# Altium PCB HIL_RIG_REV_1_2.PcbDoc (part 6 of 14)
Units mil, origin at the board's own origin, x right, y up, seen from the top; angles counter-clockwise.
Board outline 9845 x 7590 mil, 6 copper layers (Top Layer, Int1 (GND), Int2 (PWR), Int3 (Sign), Int4 (GND), Bottom Layer), stack 60.566 mil thick; 1465 components, 731 nets, 4058 pads, 3944 vias.
Unrouted connection lines stored in the file: 1754.
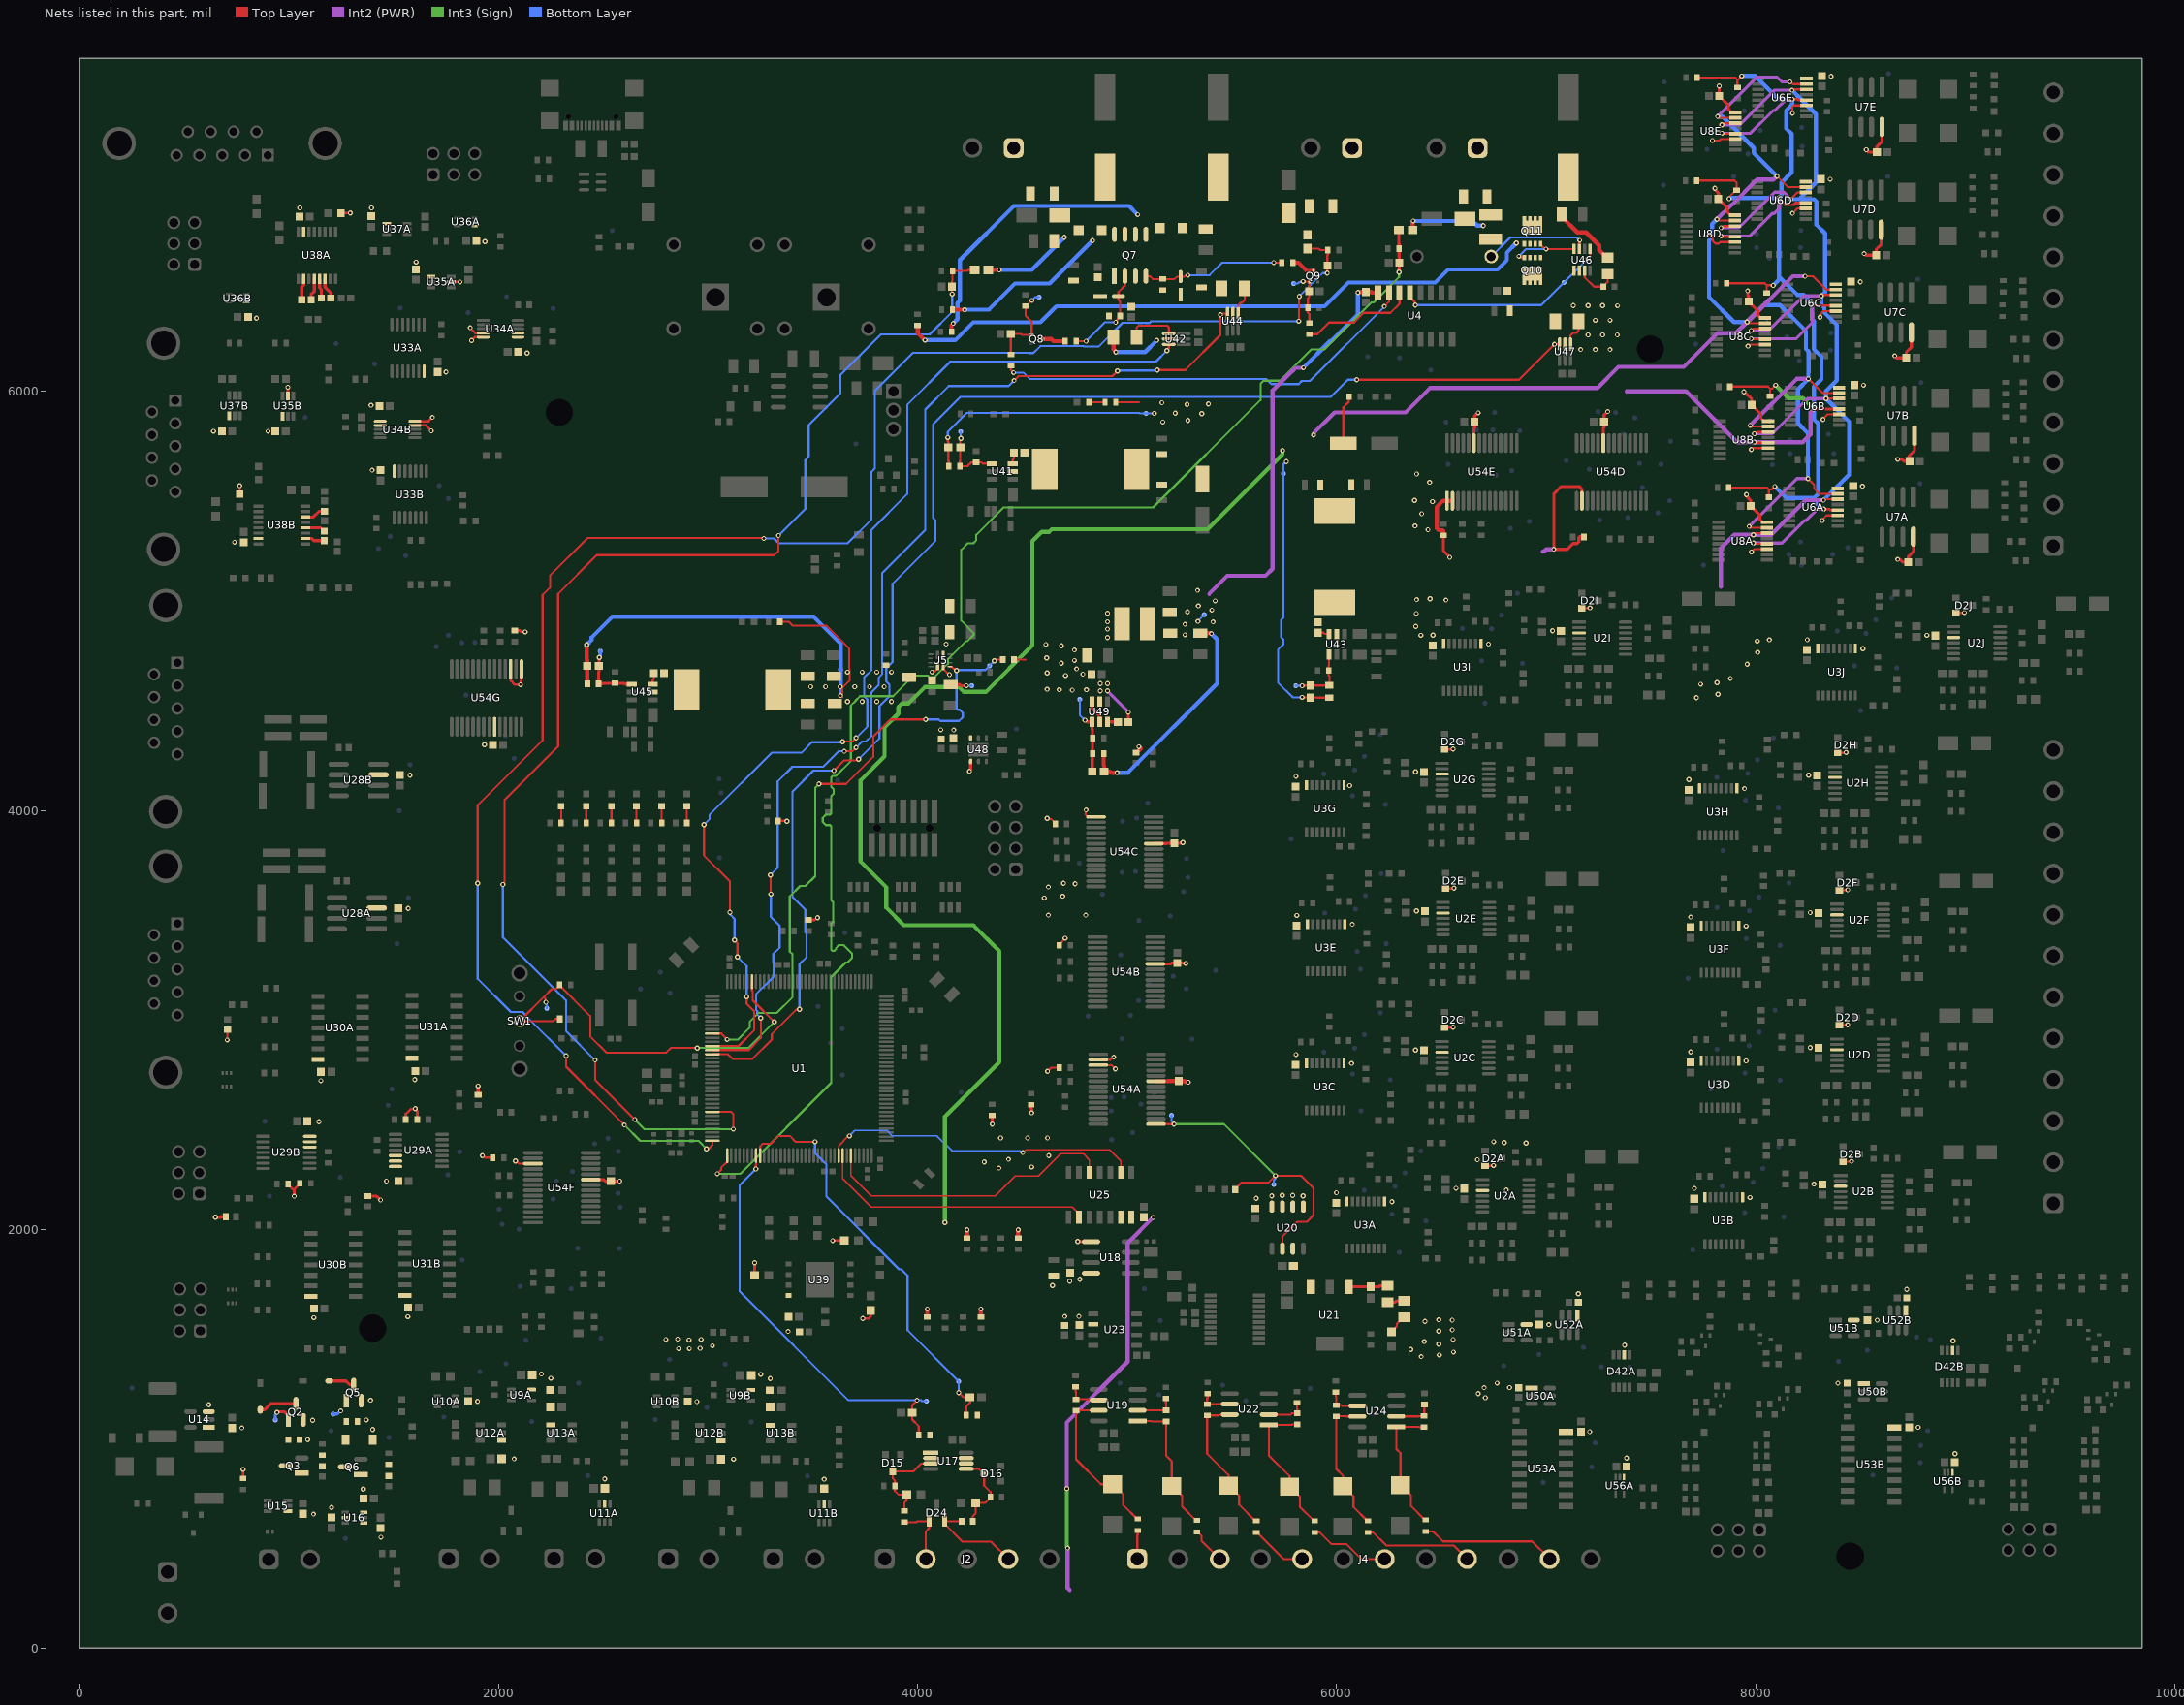
[diagram p10: the nets of this part, all layers, seen from the top]

## Part data (continued)
U34A U34B: library part CMP-011-00021-1, "5V, 4: 1, 1-channel, analog multiplexer, 1.8V compatible logic 10-VSSOP -40 to 125", Ambient Temperature Range High=125°C, Case/Package=VSSOP, Manufacturer Lifecycle Status=ACTIVE, Max Junction Temperature (Tj)=150°C, Max Supply Voltage=5.5V, Min Operating Temperature=-40°C, Min Supply Voltage=1.08V, Nominal Supply Current=10nA, On-State Resistance=5Ω, -3db Bandwidth=125MHz, Height=1.07mm, Length=3mm, Lifecycle Status=Production, Max Operating Temperature=125°C, Number of Channels=1, Number of Circuits=1, Pins=10, RoHS=Compliant, Schedule B="8542390000, 8542390000", Thickness=1.02mm, Throw Configuration=SP4T, Width=3mm
U36A U36B U56A U56B: library part CMP-004-00058-1, "11V Unidirectional 5.5V SOT-553-5 ESD and Surge Protection (TVS/ESD) ROHS", Ambient Temperature Range High=85°C, Breakdown Voltage=11V, Case/Package=SOT, Clamping Voltage=105.5V, Leakage Current=1nA, Manufacturer Lifecycle Status=ACTIVE, Max Junction Temperature (Tj)=150°C, Max Supply Voltage=5.5V, Min Operating Temperature=-40°C, Min Supply Voltage=900mV, Peak Pulse Current=10A, Power Line Protection=Yes, Contact Plating=Gold, Depth=1.2mm, Direction=Unidirectional, Element Configuration=Dual, Height=0m, Interface="Ethernet, LVDS", Lead Free="Lead Free", Length=1.6mm, Lifecycle Status=Production, Max Operating Temperature=85°C, Min Breakdown Voltage=11V, Number of Bidirectional Channels=2, Number of Channels=2, Number of Outputs=2, Operating Supply Voltage=5.5V, Pins=5, Polarity=Unidirectional, Radiation Hardening=No, REACH SVHC=No, Reverse Standoff Voltage=5.5V, RoHS=Compliant, Schedule B="8541100080, 8541100080", Termination=SMD/SMT, Thickness=550µm, Weight=2.806603mg, Width=1.2mm, Working Voltage=5.5V
U38A U38B: library part CMP-015-00013-1, "3- to 5.5-V single channel 1Mbps RS-232 line driver/receiver with +/-15-kV ESD protection 16-TSSOP -40 to 85", Case/Package=TSSOP, Manufacturer Lifecycle Status=ACTIVE, Max Operating Temperature=85°C, Max Supply Voltage=5.5V, Min Operating Temperature=-40°C, Min Supply Voltage=3V, Nominal Supply Current=1mA, Operating Supply Voltage=5V, Data Rate=1Mbps, Height=1.2mm, Lead Free="Lead Free", Length=5mm, Lifecycle Status=Production, Logic Function="Receiver, Transceiver", Mounting Technology="Surface Mount", Number of Drivers=1, Number of Receivers=1, Number of Transceivers=1, Number of Transmitters=1, Operating Supply Current=1mA, Pins=16, Radiation Hardening=No, REACH SVHC=No, RoHS=Compliant, Schedule B="8542390000, 8542390000", Simplex/Duplex="Full Duplex", Thickness=1mm, Weight=61.887009mg, Width=4.4mm
U39: library part CMP-019-00066-1, "Spi Nand Flash (with Ecc), 1GBIT,"
U40: library part CMP-004-00048-1, "IP4234CZ6 Series 4 Channel Single USB 2.0 ESD Protection Surface Mount - TSOP-6", Case/Package=TSOP, Max Operating Temperature=85°C, Min Operating Temperature=-40°C, Mounting Technology="Surface Mount", Pins=6
U41 U43 U45: library part CMP-031-00022-1, "Switching Voltage Regulators SIMPLE SWITCHER synchronous buck converter with 4.3V-to-60V", Manufacturer_Name="Texas Instruments", Mouser Part Number=595-LMR51625XDDCR, Arrow Part Number=LMR51625XDDCR, Arrow Price/Stock=https://www.arrow.com/en/products/lmr51625xddcr/texas-instruments.html?utm_currency=USD&region=nac, Datasheet Link=https://www.ti.com/lit/ds/symlink/lmr51625.pdf?ts=1740555768028, Design Item ID=LMR51625XDDCR, Height=1.1mm, Manufacturer_Part_Number=LMR51625XDDCR, Mouser Price/Stock=https://www.mouser.co.uk/ProductDetail/Texas-Instruments/LMR51625XDDCR?qs=efUn273yAheKjJQ13bmSQQ%3D%3D, Source=MAX17643ATC+.SchLib
U42 U44 U47: library part CMP-014-00006-1, "26-V bi-directional 350-kHz current-sense amplifier 6-SC70 -40 to 125", Max Operating Temperature=125°C, Max Supply Voltage=5.5V, Min Operating Temperature=-40°C, Min Supply Voltage=2.7V, Pins=6
U46: library part CMP-031-00014-1, "Overvoltage, Undervoltage and Reverse Supply Protection Controller", Case/Package=SOT-23-8, Max Operating Temperature=70°C, Min Operating Temperature=0°C, Pins=8
U48: library part CMP-019-00056-1, "500 mA low quiescent current low noise voltage regulator", Case/Package="DFN EP", Dropout Voltage=400mV, Max Operating Temperature=125°C, Max Supply Voltage=5.5V, Min Operating Temperature=-40°C, Output Current=500mA, Output Voltage=3.3V, Mounting Technology="Surface Mount", Pins=6
U49: library part CMP-033-000001-1, "4.5V to 17V Input", Manufacturer_Name="Texas Instruments", Mouser Part Number=595-TPS561208DDCR, Arrow Part Number=TPS561208DDCR, Arrow Price/Stock=https://www.arrow.com/en/products/tps561208ddcr/texas-instruments?utm_currency=USD&region=nac, Datasheet Link=http://www.ti.com/lit/gpn/tps561208, Design Item ID=TPS561208DDCR, Height=1.1mm, Manufacturer_Part_Number=TPS561208DDCR, Mouser Price/Stock=https://www.mouser.co.uk/ProductDetail/Texas-Instruments/TPS561208DDCR?qs=5aG0NVq1C4wGRU8Kylr4iw%3D%3D, Source=MAX17643ATC+.SchLib
U50A U50B U52A U52B: library part CMP-00000-1, "5.5-V, 2-A, 52-mΩ load switch with adj. rise time and adj. output discharge 6-SOT-23 -40 to 105", Ambient Temperature Range High=105°C, Case/Package=SOT-23, Manufacturer Lifecycle Status=ACTIVE, Max Junction Temperature (Tj)=125°C, Max Output current=2A, Max Supply Voltage=5.5V, Min Operating Temperature=-40°C, Min Supply Voltage=1V, Fall Time=2µs, Height=0m, Interface=On/Off, Lead Free="Lead Free", Length=2.9mm, Lifecycle Status=Production, Max Operating Temperature=105°C, Number of Channels=1, Number of Drivers=1, Number of Outputs=1, Output Configuration="High Side", Output Current=2A, Pins=6, Rise Time=2.54ms, RoHS=Compliant, Schedule B="8542390000, 8542390000", Thickness=1.2mm, Turn-Off Delay Time=2µs, Turn-On Delay Time=1.95ms, Width=1.6mm
U51A U51B: library part CMP-016-00025-1, "SINGLE INVERTER GATE Inverter, LVC/LCX/Z Series, 1-Func, 1-Input, CMOS, PDSO5", Ambient Temperature Range High=125°C, Case/Package=SOT-23, Frequency=150MHz, High Level Output Current=-32mA, Low Level Output Current=32mA, Manufacturer Lifecycle Status=ACTIVE, Max Supply Voltage=5.5V, Min Operating Temperature=-40°C, Min Supply Voltage=1.65V, Nominal Supply Current=10µA, Contact Plating=Tin, Height=1.45mm, Lead Free="Lead Free", Length=2.9mm, Lifecycle Status=Production, Logic Function=Inverting, Max Operating Temperature=125°C, Max Output current=32mA, Mounting Technology="Surface Mount", Number of Bits=1, Number of Channels=1, Number of Circuits=1, Number of Elements=1, Number of Gates=1, Number of Inputs=1, Number of Outputs=1, Output Current=32mA, Packaging="Cut Tape", Pins=5, Propagation Delay=3.7ns, Quiescent Current=10µA, Radiation Hardening=No, REACH SVHC=No, RoHS=Compliant, Schedule B="8542390000, 8542390000", Schmitt Trigger Input=No, Termination=SMD/SMT, Thickness=1.2mm, Turn-On Delay Time=7.5ns, Weight=15.790684mg, Width=1.6mm
U54A U54B U54C U54D U54E U54F U54G: library part CMP-031-00018-1, "I²C Bus IC Operating temperature: -40...+125 °C Power supply: 1.8...5.5 V Package: SSOP-20", Case/Package=SSOP, Clock Frequency=1.7MHz, Manufacturer Lifecycle Status=REL, Max Operating Temperature=125°C, Max Power Dissipation=700mW, Max Supply Voltage=5.5V, Min Operating Temperature=-40°C, Min Supply Voltage=4.5V, Nominal Supply Current=1mA, Output Current=25mA, Country of Assembly="Philippines, Thailand", Country of Fabrication="United States of America", Country of Origin="Philippines, Thailand", Export Control Classification Number (ECCN) Code=EAR99, Frequency=1.7MHz, Harmonized Tariff Schedule (HTS) Code=8542.39.0060, HS Code=8542.39.0090, Interface="I2C, Serial", Introduction Date=2005-06-24, Lead Free="Lead Free", Lifecycle Status=Production, Mounting Technology="Surface Mount", Number of Bits=16, Number of I/Os=16, Packaging=Bulk, Pins=28, Projected EOL Date=2034-06-24, REACH SVHC=No, RoHS=Compliant, Schedule B="8542390000, 8542390000", Weight=2.26799g
U55A U55B: library part CMP-004-00076-1, "Esd Protection Device, 79V, SOT-23-3 Rohs Compliant: Yes", Export Control Classification Number (ECCN) Code=EAR99, Harmonized Tariff Schedule (HTS) Code=8541.10.00.50, Introduction Date=2025-01-23, Lifecycle Status=Production, RoHS=Compliant
Y1: library part CMP-003-00040-1, "Crystal or Oscillator", Manufacturer_Name=ECS, Mouser Part Number=520-160-12-33AGN-TR3, Arrow Part Number=ECS-160-12-33-AGN-TR3, Arrow Price/Stock=https://www.arrow.com/en/products/ecs-160-12-33-agn-tr3/ecs-international?utm_currency=USD&region=nac, Datasheet Link=https://ecsxtal.com/store/pdf/ecx-32.pdf, Design Item ID=ECS-160-12-33-AGN-TR3, Height=0.8mm, Manufacturer_Part_Number=ECS-160-12-33-AGN-TR3, Mouser Price/Stock=https://www.mouser.co.uk/ProductDetail/ECS/ECS-160-12-33-AGN-TR3?qs=e8oIoAS2J1R5dXUdgVaN0g%3D%3D, Source=MAX17643ATC+.SchLib

## Free pads (board coordinates)
  round 0 hole 129.92 unplated: MH1(7498,6202) MH2(1398,1528) MH3(2290,5900) MH4(8452,440)

## Via types
v1: diameter 24, hole 12, Top Layer to Bottom Layer, tented both sides, 3944 vias

## Nets (pads, with @x,y where several pads share a name; then routed paths per layer and width w, separated by ;. In a path a pad name is that pad's centre, name@x,y a point inside that pad or via, vN(x,y) a via of type N, cw(c..) or ccw(c..) an arc to the next point about the centre after c; other vN are vias at no path point)
3V3: C30A.1 C30B.1 C30C.1 C30D.1 C30E.1 C30F.1 C30G.1 C30H.1 C30I.1 C30J.1 C37.2 C50A.1 C50B.1 C51A.1 C51B.1 C52A.2 C52B.2 C53A.1 C53B.1 C55A.1 C55B.1 C56A.1 C56B.1 C59.1 C61.2 C87.1 C90A.1 C90B.1 C92A.1 C92B.1 C93A.1 C93B.1 C94A.1 C94B.1 C97A.2 C97B.2 C98A.1 C98B.1 C101A.2 C101B.2 C107A.2 C107B.2 C163.2 C164.1 C165.1 C166.1 C169A.2 C169B.2 C170A.2 C170B.2 C172A.2 C172B.2 C177A.1 C177B.1 C177C.1 C177D.1 C177E.1 C177F.1 C177G.1 C178.2 D42A.2 D42B.2 L4.2 R32A.2 R32B.2 R32C.2 R32D.2 R32E.2 R35A.2 R35B.2 R35C.2 R35D.2 R35E.2 R52.1 R82.2 R85A.1 R85B.1 R86A.1 R86B.1 R95.2 R97.2 R99.2 R100A.1 R100B.1 R109.1 R110.1 R111.2 R148.2 R149.1 R154.2 R155.2 R176A.2 R176B.2 R176C.2 R176D.2 R176E.2 R176F.2 R176G.2 R189A.1 R189B.1 R189C.1 R189D.1 R205.2 R206.2 TP73.1 U3A.9 U3A.16 U3B.9 U3B.16 U3C.9 U3C.16 U3D.9 U3D.16 U3E.9 U3E.16 U3F.9 U3F.16 U3G.9 U3G.16 U3H.9 U3H.16 U3I.9 U3I.16 U3J.9 U3J.16 U4.16 U6A.12 U6B.12 U6C.12 U6D.12 U6E.12 U8A.12 U8B.12 U8C.12 U8D.12 U8E.12 U9A.5 U9B.5 U10A.5 U10B.5 U11A.5 U11B.5 U12A.4 U12B.4 U13A.4 U13B.4 U15.1 U16.3 U28A.3 U28B.3 U29A.12 U29A.13 U29A.14 U29B.12 U29B.13 U29B.14 U30A.14 U30B.14 U31A.14 U31B.14 U33A.14 U33B.14 U34A.4 U34B.4 U35A.1 U35A.5 U35B.1 U35B.5 U37A.1 U37B.1 U38A.15 U38B.15 U39.8 U51A.5 U51B.5 U52A.1 U52B.1 U53A.16 U53B.16 U54A.9 U54A.16 U54A.17 U54B.9 U54C.9 U54C.15 U54D.9 U54D.16 U54E.9 U54E.15 U54E.16 U54F.9 U54F.17 U54G.9 U54G.15 U54G.17 | length 15402
  Top Layer w10: v1(704,2904) 704,2929.07 706,2931.07 R189A.1@706,2953.54 ; R100B.1@764,5510.58 v1(764,5550) ; v1(2080,2326) 2083.79,2326 2095.82,2313.97 U54F.17@2163.76,2313.97 ; v1(4618,3962) 4620.68,3959.32 4637.06,3959.32 4657.36,3939.02 R176C.2@4657.36,3936 ; v1(4620,2754) 4638,2772 R176A.2@4675.36,2772 ; R176B.2@4675.36,3356 4675.36,3359.02 4704,3387.66 v1(4704,3390) ; v1(4804,4002) 4802.28,4000.28 4802.28,3982.25 4801.1,3981.07 4813.02,3969.15 U54C.15@4851.41,3969.15 ; U54A.17@4862,2783.97 4926.03,2783.97 v1(4944,2766) ; U54A.16@4862,2809.56 4920.16,2809.56 4932.6,2822 v1(4936,2822) ; R35D.2@7716.1,7006.55 7899.8,7006.55 7909.33,6997.03 R32D.2@7909.33,6958.4 ; R35E.2@7719.99,7498.01 7903.69,7498.01 7913.22,7488.48 ; v1(7835,6741.36) 7837.8,6738.56 U8D.12@7900.67,6738.56 ; v1(7838.89,7232.81) 7841.69,7230.01 U8E.12@7904.56,7230.02 ; R35C.2@7860.1,6516.55 8043.8,6516.55 8053.33,6507.03 ; R35A.2@7870.08,5541.01 8053.79,5541.01 8063.32,5531.48 ; v1(7873.34,6920) 7876.02,6922.68 7876.02,6929.98 7906.31,6960.27 R32D.2@7909.33,6960.27 ; R35B.2@7875.27,6023.2 8058.98,6023.2 8068.5,6013.67 ; R32E.2@7913.22,7449.86 7913.22,7488.48 ; v1(7934,7506) 7916.48,7488.48 7913.22,7488.48 ; v1(7979,6251.36) 7981.8,6248.56 U8C.12@8044.67,6248.56 ; v1(7988.98,5275.81) 7991.78,5273.01 U8A.12@8054.65,5273.02 ; v1(7994.17,5758) 7996.97,5755.2 U8B.12@8059.84,5755.2 ; R32C.2@8053.33,6468.4 8053.33,6507.03 ; R32A.2@8063.32,5492.86 8063.32,5531.48 ; R32B.2@8068.5,5975.05 8068.5,6013.67 ; v1(8084,6506) 8082.97,6507.03 8053.33,6507.03 ; v1(8092,5546) 8077.48,5531.48 8063.32,5531.48 ; v1(8096,6030) 8079.67,6013.67 8068.5,6013.67
  Top Layer w12: R52.1@780,810.64 v1(780,854) ; R85B.1@994.64,2216.98 994.64,2213.96 1024,2184.6 ; v1(1024,2158) 1024,2184.6 ; R86B.1@1050,2220 1050,2216.98 1024,2190.98 1024,2184.6 ; R100A.1@1246.5,6851 1291,6851 v1(1292,6852) ; R86A.1@1556,2524 1556,2550 1579.7,2573.7 1599.7,2573.7 v1(1602,2576) 1602,2572.75 1611.36,2563.39 R85A.1@1611.36,2524 ; U34B.4@1599.78,5837.78 1652.87,5837.78 1678,5812.65 v1(1678,5812) ; U35A.5@1773.75,6522.66 v1(1815.53,6522.66) ; v1(1864,6304) 1864,6303.3 1888.08,6279.22 U34A.4@1926.72,6279.22 ; v1(1922,2352) 1925.25,2352 1935.25,2342 R176F.2@1971.36,2342 ; U54G.17@2057.16,4674.8 2057.16,4619.55 2076.71,4600 v1(2104,4600) 2106.3,4602.3 2106.3,4617.51 2108.34,4619.55 U54G.15@2108.34,4674.8 ; R176G.2@2076,4858.64 2099.99,4858.64 2106,4852.63 2125.37,4852.63 v1(2126,4852) ; R110.1@3220.97,1780 3220.97,1807.92 3222,1808.96 v1(3222,1840) ; R99.2@3334.64,3950 3375,3950 3375,3949 v1(3376,3948) ; R95.2@3478,3477.28 3508.56,3477.28 3518.83,3487.56 v1(3522.08,3487.56) ; v1(3594,1946) R109.1@3648.97,1946 ; v1(3738,1574) 3765.87,1574 3776,1584.13 R111.2@3776,1612.97 ; v1(8112,6924) 8131.27,6904.73 8131.27,6901.02 8140.28,6892 8182.85,6892 8190.25,6899.4 U6D.12@8238.9,6899.4 ; v1(8174.64,7395.07) 8201.54,7395.07 8205.75,7390.85 U6E.12@8242.79,7390.85 ; v1(8270,6420) 8273.25,6420 8283.85,6409.4 U6C.12@8382.9,6409.4 ; v1(8278,5916) v1(8278,5916) U6B.12@8398.07,5916.04 ; v1(8324.74,5438.07) 8351.63,5438.07 8355.85,5433.85 U6A.12@8392.88,5433.85
  Top Layer w15: v1(648,2058) 673.3,2058 675.3,2060 R189C.1@697.77,2060 ; U35B.5@994,5978.23 994,6006.9 v1(994,6020) ; R189D.1@1374,2158.23 1417.77,2158.23 v1(1436,2140) ; R189B.1@1902,2642.46 v1(1902,2684) ; U54F.9@2439.35,2237.2 2501.5,2237.2 2509.3,2229.39 C177F.1@2536,2229.39 2577.39,2229.39 v1(2578,2230) ; v1(4356,2502) R97.2@4356,2543.36 ; R82.2@4542,2595.36 4542,2574.39 4544,2572.39 v1(4544,2556) ; U54C.9@5127,3841.2 5189.1,3841.2 5191.3,3843.39 C177C.1@5226,3843.39 5252.7,3843.39 5253.58,3844.28 5264.28,3844.28 v1(5266,3846) ; U54B.9@5134.35,3267.2 5209.1,3267.2 5213.3,3271.39 C177B.1@5240,3271.39 5266.7,3271.39 5268.7,3269.39 v1(5280,3269.39) ; R176E.2@6510,5313.36 6510,5238 v1(6540,5208) ; U54E.9@6655.28,5753.59 6655.28,5823.23 6658.61,5826.56 6658.61,5882.7 6673.91,5898 v1(6676,5898) ; U54D.16@7170.91,5478 7170.91,5533.24 7158.16,5546 7132,5546 7072,5546 7036.69,5510.69 v1(7036.69,5246.67) 7100.34,5246.67 7127.69,5274.01 7146.95,5274.01 7156.32,5283.39 7156.32,5302.65 7159.68,5306 R176D.2@7180.64,5306 ; U54D.9@7273.28,5753.59 7273.28,5825.97 7276.61,5829.3 C177D.1@7276.61,5856 7276.61,5886.61 v1(7294,5904)
  Top Layer w20: R155.2@4046,1580.64 v1(4046,1620) ; R206.2@4236,1958.64 v1(4236,1998) ; R154.2@4302,1580.64 v1(4302,1619.36) ; R205.2@4480,1958.64 v1(4480,1998) ; R148.2@4888.13,4270.4 4888.13,4214.19 4890.06,4212.26 C163.2@4890.06,4185.4 4917.87,4185.4 4923.27,4180 v1(4952,4180) ; R149.1@5042.9,4275.42 5045.4,4275.42 5065.52,4295.54 5063.18,4297.88 5062.12,4297.88 v1(5056,4304) ; U54A.9@5137.59,2707.2 5192.84,2707.2 5193.64,2708 C177A.1@5246,2708 5272.7,2708 5277.94,2702.77 5291.23,2702.77 v1(5292,2702) ; C164.1@5348.69,4845.62 5390.27,4845.62 5391.13,4844.77 5401.23,4844.77 v1(5402,4844) ; v1(6102,6472) 6102.77,6472.77 6111.46,6472.77 6113.3,6474.61 C37.2@6140,6474.61 6166.7,6474.61 6169.73,6471.58 U4.16@6198.03,6471.58 ; R176E.2@6510,5313.36 6510,5334.32 6506.65,5337.68 6487.39,5337.68 6478.01,5347.05 6478.01,5448.01 6508,5478 U54E.15@6527.32,5478 6544.18,5478 U54E.16@6544.18,5476
  Int2 (PWR) w15: v1(7835,6741.36) 7971.2,6741.36 8079.7,6849.86 8088.22,6849.86 8112,6873.64 v1(8112,6924) ; v1(7838.89,7232.81) 7975.08,7232.81 8083.58,7341.31 8092.11,7341.31 8145.86,7395.07 v1(8174.64,7395.07) ; v1(7979,6251.36) 8193.36,6251.36 8272,6330 8272,6372.78 8270,6374.78 v1(8270,6420) ; v1(7988.98,5275.81) 8125.18,5275.81 8233.68,5384.31 8242.2,5384.31 8295.96,5438.07 v1(8324.74,5438.07)
  Int2 (PWR) w20: 5392,5034 5478,5120 5660,5120 5694,5154 5694,6004.43 5787.57,6098 5789.33,6098 5804.28,6112.96 v1(5841.33,6112.96) ; 6984,5236 6990,5236 7000.67,5246.67 v1(7036.69,5246.67) ; 7384,6000 7668.43,6000 7910.43,5758 v1(7994.17,5758) 8224.92,5758 8262,5795.08 8262,5900 v1(8278,5916)
  Int3 (Sign) w20: v1(8096,6030) 8157.93,5968.07 8225.93,5968.07 v1(8278,5916)
  Bottom Layer w10: v1(5338,4902) 5338,4904 TP73.1@5368,4934
  Bottom Layer w20: v1(4952,4180) 5004,4180 5430,4606 5430,4798 5430,4816 v1(5402,4844) ; v1(5841.33,6112.96) 5969.23,6240.86 5974.86,6240.86 6102,6368 v1(6102,6472) ; v1(7873.34,6920) 7874.43,6920 7878.42,6924 v1(8112,6924) ; v1(7934,7506) 7998.85,7506 8109.79,7395.07 v1(8174.64,7395.07) 8174.64,7369.07 8146,7340.43 8146,7256 8172,7230 8172,7046 8124,6998 8124,6937.08 8112,6925.08 8112,6548 ; v1(8084,6506) 8112,6534 8112,6548 ; v1(8092,5546) 8146,5492 8280,5492 ; v1(8324.74,5438.07) 8317.23,5438.07 8280,5475.3 8280,5492 ; 8112,6548 8198.57,6461.43 8228.57,6461.43 v1(8270,6420) 8270,6344 8278,6336 8278,6202 8314,6166 8314,6058 8278,6022 v1(8278,5916) 8278,5867.57 8297.93,5847.65 8297.93,5509.93 8280,5492
  other v1: 1116,640 1354,760 3553.78,807.04 2506.52,808.52 3121.26,902.52 2074,904 7208,1034 8775.6,1055 2946.26,1177.52 1899,1179 3296.26,1287.52 2249,1289 3251.26,1307.52 2204,1309 7374.61,1447.23 8942.22,1468.23 3381.52,1512.61 7013,1544.97 8580.6,1565.97 1118,1578 1566.35,1583 7154,1692 8721.6,1713 6263.89,2131.79 7972.89,2151.79 5999,2174.79 7708,2194.79 1464,2230 4388,2292 4544,2298 4318,2322 4434,2334 4626,2352 4396,2436 4524,2436 4620,2436 1142,2514 1151.33,2709.67 1599.67,2714.67 6070.89,2791.79 7954.89,2803.79 5806,2834.79 7690,2846.79 7954.89,3447.79 6074.89,3455.79 7690,3490.79 5810,3498.79 4624,3500 4802,3500 1568.15,3532 4604,3582 4692,3590 4624,3634 4752,3650 4696,3652 7946.89,4103.79 6062,4118 7682,4146.79 5806,4162.79 1576.15,4168 1932,4314 7718,4538 7820,4554 7738,4602 7816,4610 7880,4630 7960,4698 8010,4754 8511.89,4771.79 6724.89,4793.79 8008,4808 8066,4814 8247,4814.79 6402,4836 6460,4836.79 5276,4838 6378,4878 5276,4888 5410,4900 6380,4940 5288,4948 5404,4956 5340,4976 5420,5000 6522,5004 6382,5006 6446,5010 5336,5050 739,5280 1396,5624 639,5810 899,5810 1748.5,6093 1605.53,6617.66 1050.5,6876 1392.5,6876
3V3_Feedback: C163.1 R148.1 R150.1 TP74.1 U49.4 | length 385.5
  Top Layer w15: v1(4798.69,4430.4) 4801.12,4430.4 4809.55,4421.97 U49.4@4831.68,4421.97 4831.68,4389.36 4834.84,4386.2 R150.1@4834.84,4345.4 R148.1@4834.84,4270.4 4834.84,4246.41 4832.91,4244.47 C163.1@4832.91,4185.4
  Bottom Layer w10: TP74.1@4773.69,4530.4 4773.69,4455.4 v1(4798.69,4430.4)
3V3_SW: C167.1 L4.1 U49.2 | length 189.9
  Top Layer w15: C167.1@5005.21,4422 5005.21,4448.7 5006,4449.49 v1(5006,4468)
  Int2 (PWR) w15: v1(4906.48,4570.4) 4906.48,4568.96 5006,4469.44 v1(5006,4468)
  other v1: 4871.48,4570.4 4871.48,4605.4 4906.48,4605.4 4906.48,4825.4 4906.48,4865.4 4906.48,4900.4 4906.48,4940.4
3V3_VBST: C167.2 U49.6 | length 49.5
  Top Layer w15: U49.6@4906.48,4421.97 4926.29,4421.97 ; 4926.32,4422 C167.2@4956,4422
5V: C26A.1 C26B.1 C28A.1 C28B.1 C28C.1 C28D.1 C28E.1 C28F.1 C28G.1 C28H.1 C28I.1 C28J.1 C40.1 C41.1 C42.1 C60.2 C62.2 C88.2 C95A.2 C95B.2 C100A.1 C100B.1 C158.1 C159.2 C161.1 C162.1 C168A.2 C168B.2 D2A.2 D2B.2 D2C.2 D2D.2 D2E.2 D2F.2 D2G.2 D2H.2 D2I.2 D2J.2 R27.2 TP13.1 U2A.3 U2B.3 U2C.3 U2D.3 U2E.3 U2F.3 U2G.3 U2H.3 U2I.3 U2J.3 U5.1 U5.8 U6A.14 U6B.14 U6C.14 U6D.14 U6E.14 U8A.14 U8B.14 U8C.14 U8D.14 U8E.14 U16.1 U16.5 U25.13 U25.14 U34A.5 U34A.6 U34A.7 U34B.5 U34B.6 U34B.7 U36A.1 U36B.1 U48.1 U48.6 U49.3 U49.5 U50A.1 U50B.1 U56A.1 U56B.1 | length 8328.2
  Top Layer w10: U5.8@4122,4688.68 4124.87,4685.8 4124.87,4673.01 4149.88,4648 v1(4152,4648) ; R27.2@4462.75,4720.25 4486.49,4720.25 4486.74,4720 4515,4720 ; D2C.2@6516,2962.75 6553.95,2962.75 v1(6556,2964.79) ; D2G.2@6516,4290.75 6553.95,4290.75 v1(6556,4292.79) ; D2E.2@6520,3626.75 6557.95,3626.75 v1(6560,3628.79) ; D2A.2@6709,2302.75 6746.95,2302.75 v1(6749,2304.79) ; D2I.2@7170,4964.75 7207.95,4964.75 v1(7210,4966.79) ; v1(7835,6781.36) 7838.79,6781.36 7847.17,6789.74 U8D.14@7900.67,6789.74 ; v1(7838.89,7272.81) 7842.68,7272.81 7851.06,7281.2 U8E.14@7904.56,7281.2 ; v1(7979,6291.36) 7982.79,6291.36 7991.17,6299.74 U8C.14@8044.67,6299.74 ; v1(7988.98,5315.81) 7992.77,5315.81 8001.16,5324.2 U8A.14@8054.65,5324.2 ; v1(7994.17,5798) 7997.96,5798 8006.35,5806.39 U8B.14@8059.84,5806.39 ; v1(8168,6918) 8200.58,6950.58 U6D.14@8238.9,6950.58 ; v1(8173.89,7437.81) 8177.68,7437.81 8181.9,7442.03 U6E.14@8242.79,7442.03 ; v1(8314,6456.36) 8317.79,6456.36 8322.01,6460.58 U6C.14@8382.9,6460.58 ; v1(8323.98,5480.81) 8327.77,5480.81 8332,5485.03 U6A.14@8392.88,5485.03 ; v1(8336,5966) 8359.81,5966 8361.04,5967.22 U6B.14@8398.07,5967.22 ; D2H.2@8392,4274.75 8429.95,4274.75 v1(8432,4276.79) ; D2D.2@8400,2974.75 8437.95,2974.75 v1(8440,2976.79) ; D2F.2@8400,3618.75 8437.95,3618.75 v1(8440,3620.79) ; D2B.2@8418,2322.75 8455.95,2322.75 v1(8458,2324.79) ; D2J.2@8957,4942.75 8994.95,4942.75 v1(8997,4944.79)
  Top Layer w12: U34B.5@1599.78,5857.46 1665.46,5857.46 v1(1684,5876) ; v1(1870.5,6243) 1887.04,6259.54 U34A.5@1926.72,6259.54
  Top Layer w15: C41.1@4158.22,4600.48 4199.81,4600.48 4205.03,4595.25 v1(4233.22,4595.25) ; v1(4247.19,4186.72) 4247.19,4189.16 4253.07,4195.03 U48.1@4253.07,4233.9 ; U49.3@4831.68,4520.4 4831.68,4487.79 4864.89,4454.58 4869.08,4454.58 U49.5@4869.08,4421.97
  Int2 (PWR) w15: v1(7835,6781.36) 7920,6781.36 8090.14,6951.5 8134.5,6951.5 v1(8168,6918) ; v1(7838.89,7272.81) 7923.89,7272.81 8088.89,7437.81 v1(8173.89,7437.81) ; v1(7979,6291.36) 8064,6291.36 8229,6456.36 v1(8314,6456.36) ; v1(7994.17,5798) 8079.17,5798 8247.17,5966 v1(8336,5966)
  Int2 (PWR) w20: v1(4712,762) 4712,1078 5002,1368 5002,1934 v1(5124,2056) ; v1(4716,478) 4716,288 4726,278 ; 7834,5068 7834,5251.62 7898.19,5315.81 v1(7988.98,5315.81) 8073.98,5315.81 8238.98,5480.81 v1(8323.98,5480.81)
  Int3 (Sign) w20: v1@4712,760.92 4712,483.08 4716,479.08 v1(4716,478)
  Bottom Layer w10: v1@4233.22,4600.25 4233.41,4600.25 4238.41,4595.25 TP13.1@4258.22,4595.25
  Bottom Layer w20: v1(8168,6918) 8208,6918 ; v1(8173.89,7437.81) 8186.63,7425.07 8187.07,7425.07 8204.64,7407.49 8204.64,7407.06 8288,7323.7 8288,6998 8208,6918 ; v1(8323.98,5480.81) 8446,5602.83 8446,5856 v1(8336,5966) 8336,6002 8387.97,6053.97 8387.97,6316.46 8328,6376.43 8328,6400.51 8314,6414.51 v1(8314,6456.36) 8331.5,6473.86 8331.5,6754.5 8290.62,6795.38 8290.62,6906.28 8278.91,6918 8208,6918
  other v1: 1438,530 1202,672 7384,908 8951.6,929 6710,1196 6676,1216 6704,1244 6825.35,1244.6 6766,1266 8392.95,1265.6 6810,2188 6569.89,2195.79 8278.89,2215.79 6672,2332 6904,2412 6800,2414 6750,2418 6376.89,2855.79 8260.89,2867.79 8260.89,3511.79 6380.89,3519.79 8252.89,4167.79 6376.89,4183.79 4172.47,4384 4110.47,4385 4738,4574 4676,4576 4806,4576 4618,4578 4706,4644 4788.69,4650.4 4618,4656 4758.69,4675.4 4686,4702 4748.69,4715.4 4616,4728 4748.69,4765.4 4686,4786 4612,4792 4136,4794 8817.89,4835.79 7030.89,4857.79 6436,5340 6374,5358 6406,5416 6458,5474 6372,5480 6444,5566 6382,5606 1391,5934 2135.5,6183 844,6350 1934.5,6715
5V_CB: C142.2 U45.6 | length 55.2
  Top Layer w10: U45.6@2734.61,4602.4 2734.61,4622.21 2734.7,4622.21 2740.79,4628.3 C142.2@2740.79,4655
5V_Feedback: C151.1 R137.1 R139.2 TP70.1 U45.1 | length 319.9
  Top Layer w15: v1(2480,4730) 2480,4717.89 2478.97,4716.86 C151.1@2478.97,4690 2478.97,4663.14 2477.04,4661.2 R137.1@2477.04,4605 2498,4605 2499.72,4606.72 R139.2@2555.39,4606.72 2599.26,4606.72 2603.57,4602.4 U45.1@2636.18,4602.4
  Bottom Layer w15: v1(2480,4730) 2480,4732.44 2485,4737.44 TP70.1@2485,4760
5V_OUT: F22.2 J1.1
5V_OUT_Clamped: D38.2 R141.1 U46.7 | length 507.6
  Top Layer w10: U46.7@7158.82,6680 7158.82,6720.56 v1(7160.09,6721.83)
  Bottom Layer w10: D38.2@6738,6644 6829,6735 7144.97,6735 7158.14,6721.83 v1(7160.09,6721.83)
5V_OUT_common_gate: Q10.4 Q11.4 U46.8 | length 347.4
  Top Layer w10: v1(6870,6645) 6873.79,6645 6879.73,6639.05 Q10.4@6896.14,6639.06 ; Q11.4@6972.91,6705.94 6972.91,6700.43 6986.84,6686.51 6989.7,6686.51 6996.21,6680 v1(7000,6680) U46.8@7133.23,6680
  Bottom Layer w10: v1(6870,6645) 6905,6680 v1(7000,6680)
5V_OUT_common_source: Q10.1 Q10.2 Q10.3 Q11.1 Q11.2 Q11.3 R146.1 | length 3115.7
  Top Layer w20: R146.1@4000,6309.88 4000,6279.08 4034.08,6245 v1(4035,6245)
  Bottom Layer w20: v1(4035,6245) 4180,6245 4265,6330 4586.09,6330 4662.45,6406.35 5942.35,6406.35 6056,6520 6470.61,6520 6533.13,6582.52 6768.43,6582.52 6812.83,6626.92 6812.83,6662.83 v1(6858,6708)
5V_OUT_Current_ADC: U1.15 U47.6 | length 6917.6
  Top Layer w10: U1.15@3020,2836.2 3093.8,2836.2 3116,2814 3212,2814 3304,2906 3304,2932 3419.91,3047.91 3433.91,3047.91 v1(3436,3050) ; v1(3600,4190) 3648,4238 3712,4238 v1(3718,4244) ; v1(6096,6056) 6871,6056 7040.97,6225.97 U47.6@7064.88,6225.97
  Bottom Layer w10: v1(3436,3050) 3436,3266.64 3470,3300.64 3470,3412 3464,3418 3464,3525.76 3402,3587.76 3402,4090 3502,4190 v1(3600,4190) ; v1(3718,4244) 3818,4344 3818,4497.64 3850,4529.64 3850,4530.36 3865,4545.36 3865,4600.36 3850,4615.36 3850,4678 3880,4708 3880,5082 4084,5286 4084,5385.64 4074,5395.64 4074,5844 4198,5968 4198,5968.14 4203.86,5974 5972,5974 6054,6056 v1(6096,6056)